# Altium PCB ArduinoRelayTimerPCB.PcbDoc
Units mm, origin at the board's own origin, x right, y up, seen from the top; angles counter-clockwise.
Board outline 104.78 x 81.41 mm, 2 copper layers (Top Layer, Bottom Layer); 22 components, 23 nets, 76 pads, 20 vias.
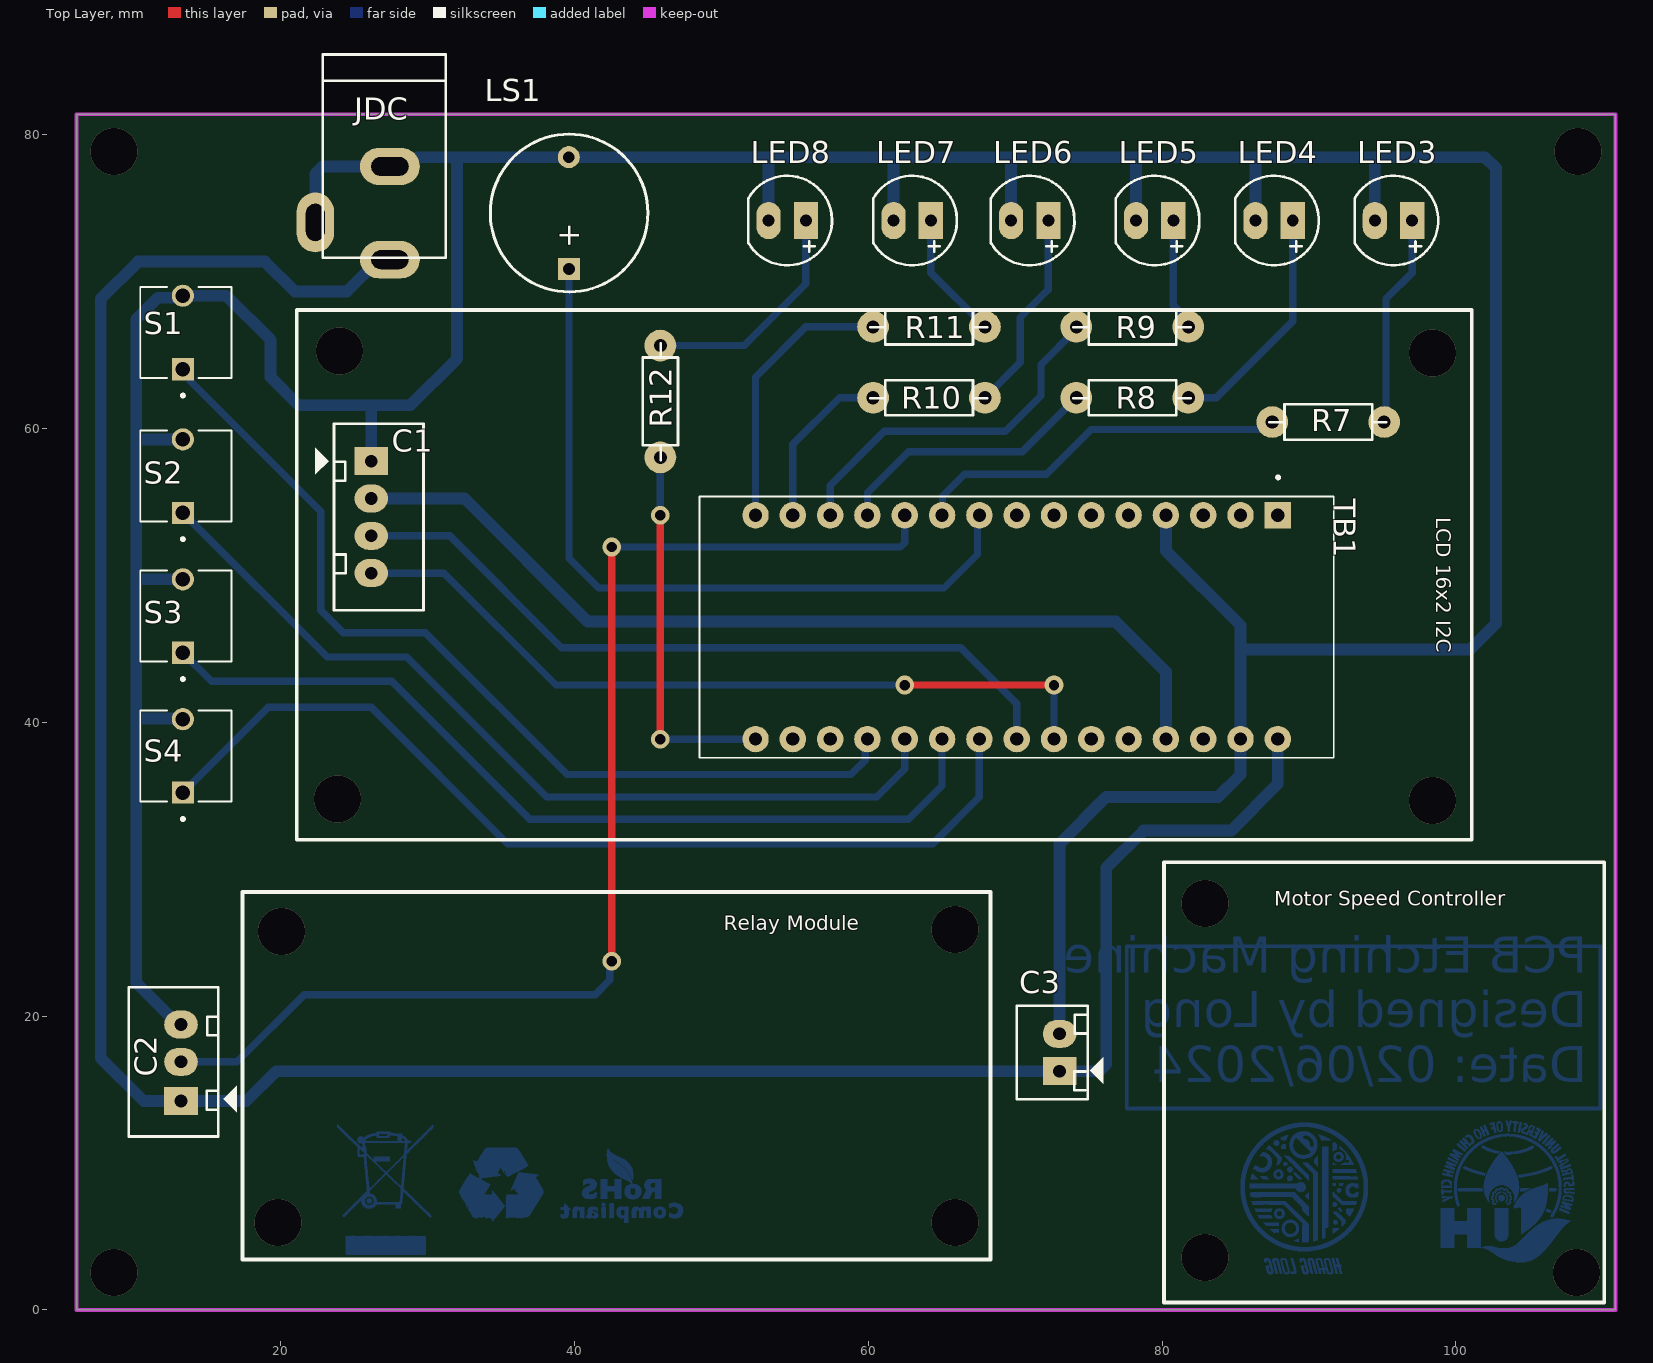
[diagram p0: Top Layer view]
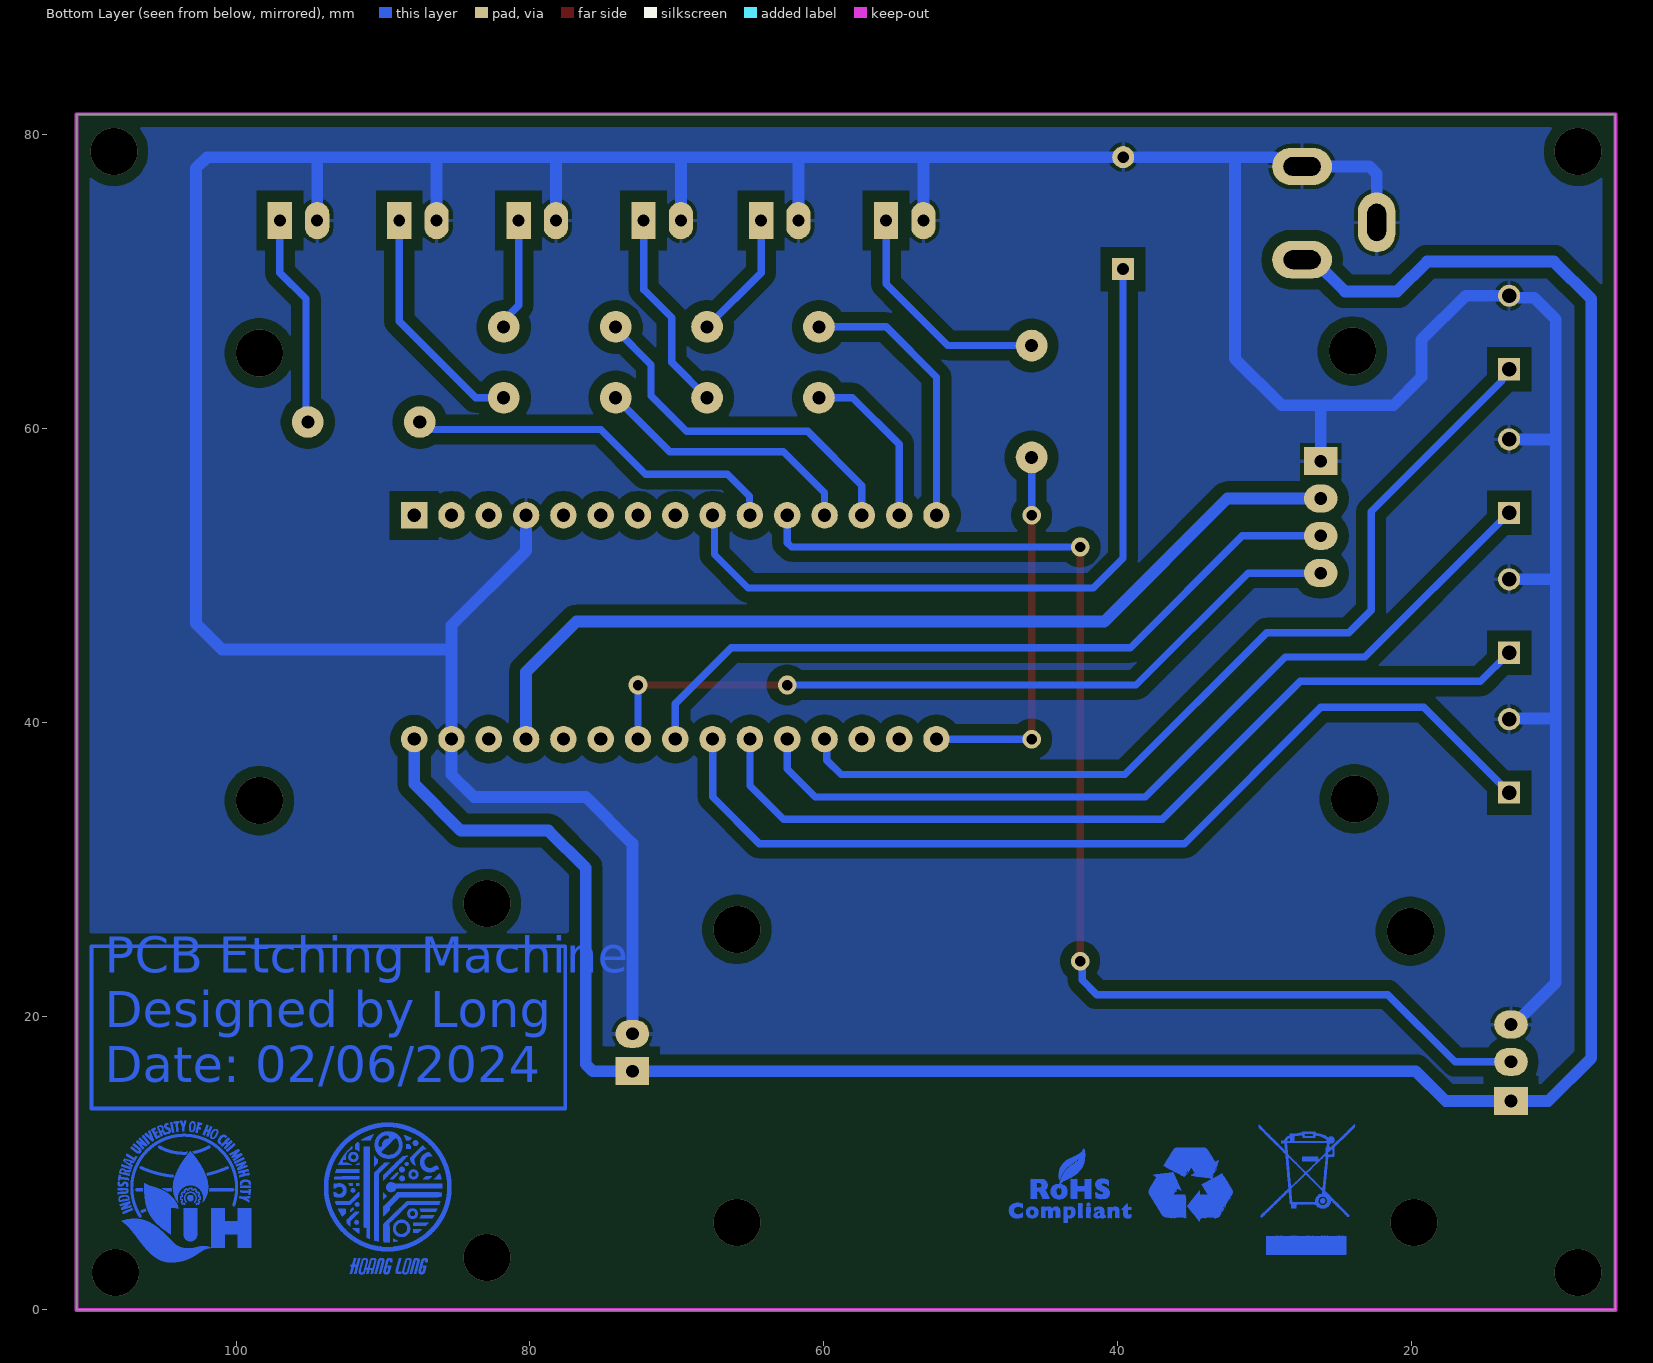
[diagram p1: Bottom Layer view, seen from below]

## Layer stack, top to bottom
Top Solder: solder mask 0.0102, Solder Resist, Dk 3.5
Top Layer: signal copper 0.0356
Dielectric 1: dielectric 0.32, FR-4, Dk 4.8
Bottom Layer: signal copper 0.0356
Bottom Solder: solder mask 0.0102, Solder Resist, Dk 3.5

## Board outline
6.096,0 6.096,81.407 110.871,81.407 110.871,0

## Design rules (kind name [scope] priority, off if disabled: settings)
Clearance [All] p1: gap=0.75 ignorepadtopadclearanceinfootprint=FALSE
PolygonConnect [All] p1: connectstyle=Relief reliefconductorwidth=0.254 reliefentries=4 polygonreliefangle="90 Angle" airgapwidth=0.254
RoutingVias [All] p1: holewidth=0.711 width=1.27 viastyle="Through Hole" minholewidth=0.711 minwidth=1.27 maxholewidth=0.711 maxwidth=1.27
SolderMaskExpansion [All] p1: expansion=0.102 istentingtop=FALSE
Width other [InNetClass('other')] p1: maxlimit=0.6 minlimit=0.4 preferedwidth=0.5
Width VCC [InNetClass('VCC')] p2: maxlimit=0.8 minlimit=0.7 preferedwidth=0.8
30 further rules are at their usual default settings.

## Components (designator, comment, footprint, x,y, rotation, side; value= is the part's Value field where it differs from the comment)
C1 "LCD16x2_I2C" Header4 26.162,57.785 r270 top
C2 "Relay" Header3 13.208,14.351 r90 top
C3 "Header2" Header2 73.025,16.256 r90 top
JDC "Jac DC" DC0 24.892,74.676 r270 top
LED3 "LED" LED-5-Yellow 97.028,74.168 r180 top value="LED 3 ly Single Colour"
LED4 "LED" LED-5-Yellow 88.9,74.168 r180 top value="LED 3 ly Single Colour"
LED5 "LED" LED-5-Yellow 80.772,74.168 r180 top value="LED 3 ly Single Colour"
LED6 "LED" LED-5-Yellow 72.263,74.168 r180 top value="LED 3 ly Single Colour"
LED7 "LED" LED-5-Yellow 64.262,74.168 r180 top value="LED 3 ly Single Colour"
LED8 "LED" LED-5-Yellow 55.753,74.168 r180 top value="LED 3 ly Single Colour"
LS1 "Speaker" SPEAKER 39.624,70.866 r90 top
R7 "Res" RES-1/4W-SMALL 91.059,60.452 r0 top
R8 "Res" RES-1/4W-SMALL 77.724,62.103 r0 top
R9 "Res" RES-1/4W-SMALL 77.724,66.929 r0 top
R10 "Res" RES-1/4W-SMALL 63.881,62.103 r0 top
R11 "Res" RES-1/4W-SMALL 63.881,66.929 r0 top
R12 "Res" RES-1/4W-SMALL 45.847,61.595 r90 top
S1 "" SW_TL59NF160Q 13.335,66.548 r90 top
S2 "" SW_TL59NF160Q 13.335,56.769 r90 top
S3 "" SW_TL59NF160Q 13.335,47.244 r90 top
S4 "" SW_TL59NF160Q 13.335,37.719 r90 top
TB1 "ARDUINO_NANO" SHIELD_ARDUINO_NANO 70.104,46.482 r270 top

## Footprints (in the part's own frame and the unit in brackets; to place one, negate y for a bottom-side part, rotate by r counter-clockwise, add the part's x,y. Pads: shape width x height; smd on the part's side, far side on the other; paste and mask are expansions set on the pad)
DC0 [mil] "Jac DC input"
  oval 100x160 hole 50 slot 100 at 90 deg: 1(125,100) 2(-125,100)
  oval 160x100 hole 50 slot 100 at 0 deg: 3(25,-100)
  silkscreen extent -425,-80 120,250, body extent -410,-105 134,269, height 434
Header2 [mil] "CON2"
  rect 75x90 hole 34: 1(0,0)
  oval 75x90 hole 34: 2(100,0)
  silkscreen extent -75,-118 175,115, body extent -68,-70 168,107, height 236
Header3 [mil] "CON 3"
  rect 75x90 hole 34: 1(-5,0)
  oval 75x90 hole 34: 2(100,0) 3(200,0)
  silkscreen extent -100,-150 300,140, body extent -95,-90 295,136, height 276
Header4 [mil] "CON4"
  rect 75x90 hole 34: 1(0,0)
  oval 75x90 hole 34: 2(100,0) 3(200,0) 4(300,0)
  silkscreen extent -100,-150 400,140, body extent -90,-90 398,136, height 276
LED-5-Yellow [mil] "LED 2 PIN, 5 ly , Only colour,pin to pin 100mil"
  rect 65x100 hole 32: 1(0,0)
  oval 65x100 hole 32: 2(100,0)
  silkscreen extent -70,-120 154,120, body extent -67,-122 147,115, height 339
RES-1/4W-SMALL [mil]
  round 85 hole 35: 1(-140,0) 2(160,0)
  silkscreen extent -148,-47 166,47, body extent -152,-47 172,47, height 97
SHIELD_ARDUINO_NANO [mm]
  rect 1.8x1.8 / inner round 1.8 / far side rect 1.8x1.8 hole 0.9: 1(-7.62,17.78)
  round 1.8 hole 0.9: 2(-7.62,15.24) 3(-7.62,12.7) 4(-7.62,10.16) 5(-7.62,7.62) 6(-7.62,5.08) 7(-7.62,2.54) 8(-7.62,0) 9(-7.62,-2.54) 10(-7.62,-5.08) 11(-7.62,-7.62) 12(-7.62,-10.16) 13(-7.62,-12.7) 14(-7.62,-15.24) 15(-7.62,-17.78) 16(7.62,-17.78) 17(7.62,-15.24) 18(7.62,-12.7) 19(7.62,-10.16) 20(7.62,-7.62) 21(7.62,-5.08) 22(7.62,-2.54) 23(7.62,0) 24(7.62,2.54) 25(7.62,5.08) 26(7.62,7.62) 27(7.62,10.16) 28(7.62,12.7) 29(7.62,15.24) 30(7.62,17.78)
  silkscreen extent -10.3,-21.59 8.89,21.59, body extent -9,-21.6 9,23.4, height 12.6
SPEAKER [mm]
  rect 1.5x1.5 hole 0.8: 1(0,0)
  round 1.5 hole 0.8: 2(7.62,0.013)
  silkscreen extent -1.55,-5.38 9.18,5.36, body extent -2.22,-6 13.24,6, height 4.5
SW_TL59NF160Q [mm]
  rect 1.508x1.508 / inner round 1.508 / far side rect 1.508x1.508 hole 1: 1(-2.5,0)
  round 1.508 hole 1: 2(2.5,0)
  silkscreen extent -4.39,-3.3 3.1,2.9, body extent -3.1,-3.3 3.1,2.9, height 4.3

## Part data
C1: library part Header4, "Header IDC, 4 x 1 Pin Vertical 2.54mm Pitch (Non-Boxed, Male)", Manufacturer="W¨¹rth Elektronik eiSos GmbH", partNo=613002143121, ComponentLink1 Description=Manufacturer, ComponentLink1URL=http://www.we-online.com, ComponentLink2 Description=Datasheet, ComponentLink2URL=http://katalog.we-online.de/em/datasheet/6130xx143121.pdf, Created by="Karrer Zheng", Created Date="29 March 2013", NoPins=02
C2: library part Header3, "Header IDC, 3 x 1 Pin Vertical 2.54mm Pitch (Non-Boxed, Male)", Manufacturer="W¨¹rth Elektronik eiSos GmbH", partNo=613002143121, ComponentLink1 Description=Manufacturer, ComponentLink1URL=http://www.we-online.com, ComponentLink2 Description=Datasheet, ComponentLink2URL=http://katalog.we-online.de/em/datasheet/6130xx143121.pdf, Created by="Karrer Zheng", Created Date="29 March 2013", NoPins=02
C3: "Header IDC, 2 x 1 Pin Vertical 2.54mm Pitch (Non-Boxed, Male)", Manufacturer="W¨¹rth Elektronik eiSos GmbH", partNo=613002143121, ComponentLink1 Description=Manufacturer, ComponentLink1URL=http://www.we-online.com, ComponentLink2 Description=Datasheet, ComponentLink2URL=http://katalog.we-online.de/em/datasheet/6130xx143121.pdf, Created by="Karrer Zheng", Created Date="29 March 2013", NoPins=02
JDC: library part DCIN, "Jac DC input"
LED3 LED4 LED5 LED6 LED7 LED8: "LED Single colour Green and Red"
LS1: "Loudspeaker", LatestRevisionDate=17-Jul-2002, LatestRevisionNote="Re-released for DXP Platform.", PackageReference=PIN2, Published=24-Mar-1999, Publisher="Altium Limited"
R7 R8 R9 R10 R11 R12: Manufacturer="Generic Components", Class=Passive, Published=08/06/2000, Publisher="Altium Hobart Technology Centre", SubClass=R
S1 S2 S3 S4: library part TL59NF160Q, "SWITCH TACTILE SPST-NO 0.05A 12V", Package=None, Availability="In Stock", Check_prices=https://www.snapeda.com/parts/TL59NF160Q/E-Switch/view-part/?ref=eda, MF=E-Switch, MP=TL59NF160Q, Price=None, Purchase-URL=https://pricing.snapeda.com/search/part/TL59NF160Q/?ref=eda, SnapEDA_Link=https://www.snapeda.com/parts/TL59NF160Q/E-Switch/view-part/?ref=snap
TB1: "Small, complete, and breadboard-friendly board based on the ATmega328 (Arduino Nano 3.x)", Package="Non-Standard Arduino", Availability="Not in stock", Check_prices=https://www.snapeda.com/parts/Arduino%20Nano/Arduino/view-part/?ref=eda, MF=Arduino, MP="Arduino Nano", Price=None, SnapEDA_Link=https://www.snapeda.com/parts/Arduino%20Nano/Arduino/view-part/?ref=snap

## Via types
v1: diameter 3.2, hole 3.2, Top Layer to Bottom Layer, 14 vias
v2: diameter 1.27, hole 0.711, Top Layer to Bottom Layer, 6 vias

## Nets (pads, with @x,y where several pads share a name; then routed paths per layer and width w, separated by ;. In a path a pad name is that pad's centre, name@x,y a point inside that pad or via, vN(x,y) a via of type N, cw(c..) or ccw(c..) an arc to the next point about the centre after c; other vN are vias at no path point)
+5: C1.2 TB1.27 | length 63.6
  Bottom Layer w0.8: C1.2 32.512,55.245 40.894,46.863 76.835,46.863 80.264,43.434 TB1.27
+12: C2.1 C3.1 JDC.1 TB1.30 | length 175.3
  Bottom Layer w0.8: JDC.1 26.67,71.501 24.511,69.342 20.955,69.342 18.923,71.374 10.287,71.374 7.747,68.834 7.747,17.145 10.668,14.224 C2.1 17.653,14.224 19.685,16.256 C3.1 75.731,16.256 76.2,16.725 76.2,30.099 78.74,32.639 84.709,32.639 87.884,35.814 TB1.30
A0: S1.1 TB1.19 | length 63.9
  Bottom Layer w0.5: S1.1 13.839,63.544 13.839,63.25 22.733,54.356 22.733,47.625 24.257,46.101 29.845,46.101 39.497,36.449 58.801,36.449 59.785,37.433 59.785,38.703 TB1.19
A1: S2.1 TB1.20 | length 60
  Bottom Layer w0.5: S2.1 13.839,53.765 23.154,44.45 28.575,44.45 38.1,34.925 60.579,34.925 62.484,36.83 TB1.20
A2: S3.1 TB1.21 | length 60.5
  Bottom Layer w0.5: S3.1 15.28,42.799 27.559,42.799 36.957,33.401 62.738,33.401 65.024,35.687 TB1.21
A3: S4.1 TB1.22 | length 65.7
  Bottom Layer w0.5: S4.1 19.137,41.021 26.162,41.021 35.433,31.75 64.389,31.75 67.564,34.925 TB1.22
A4: C1.3 TB1.23 | length 51.1
  Bottom Layer w0.5: C1.3 31.496,52.705 39.116,45.085 66.294,45.085 70.104,41.275 TB1.23
A5: C1.4 TB1.24 | length 53.3
  Top Layer w0.5: v2(62.484,42.545) v2(72.644,42.545)
  Bottom Layer w0.5: C1.4 31.115,50.165 38.735,42.545 v2(62.484,42.545) ; TB1.24 v2(72.644,42.545)
D6: LS1.1 TB1.9 | length 52
  Bottom Layer w0.5: LS1.1 39.624,51.181 41.656,49.149 65.151,49.149 67.437,51.435 67.437,53.975 TB1.9
D7: R7.1 TB1.10 | length 25.9
  Bottom Layer w0.5: TB1.10 65.056,54.134 65.056,55.404 66.548,56.896 72.136,56.896 75.184,59.944 86.546,59.944 87.054,60.452 R7.1
D8: C2.2 TB1.11 | length 83
  Top Layer w0.5: v2(42.545,23.749) v2(42.545,51.943)
  Bottom Layer w0.5: C2.2 17.018,16.891 21.59,21.463 41.402,21.463 42.398,22.459 42.398,23.602 v2(42.545,23.749) ; v2(42.545,51.943) 62.191,51.943 62.484,52.236 TB1.11
D9: R8.1 TB1.12 | length 18.4
  Bottom Layer w0.5: TB1.12 59.944,55.626 62.738,58.42 70.485,58.42 R8.1
D10: R9.1 TB1.13 | length 24.6
  Bottom Layer w0.5: TB1.13 57.404,56.134 61.087,59.817 69.342,59.817 71.755,62.23 71.755,64.357 74.168,66.77 R9.1
D11: R10.1 TB1.14 | length 11.6
  Bottom Layer w0.5: TB1.14 54.864,58.928 58.039,62.103 R10.1
D12: R11.1 TB1.15 | length 18.8
  Bottom Layer w0.5: TB1.15 52.324,63.5 55.753,66.929 R11.1
D13: R12.1 TB1.16 | length 25.7
  Top Layer w0.5: v2(45.847,38.862) v2(45.847,54.102)
  Bottom Layer w0.5: v2(45.847,38.862) TB1.16 ; v2(45.847,54.102) R12.1
GND: C1.1 C2.3 C3.2 JDC.2 JDC.3 LED3.2 LED4.2 LED5.2 LED6.2 LED7.2 LED8.2 LS1.2 S1.2 S2.2 S3.2 S4.2 TB1.4 TB1.29 | length 311.4
  Bottom Layer w0.8: C2.3 13.018,19.431 10.16,22.288 10.16,40.259 ; S4.2 13.295,40.259 10.16,40.259 ; S3.2 10.2,49.744 10.16,49.784 ; S2.2 10.2,59.269 10.16,59.309 ; JDC.3 22.352,77.343 22.86,77.851 JDC.2 28.665,77.851 29.3,78.486 32.004,78.486 ; C1.1 26.162,61.595 ; LED8.2 53.213,78.486 ; LED7.2 61.722,78.486 ; LED6.2 69.723,78.486 ; C3.2 73.025,31.75 76.2,34.925 83.82,34.925 85.344,36.449 TB1.29 85.344,44.958 ; LED5.2 78.232,78.486 ; TB1.4 80.264,51.689 85.344,46.609 85.344,44.958 ; LED4.2 86.36,78.486 ; LED3.2 94.488,78.486 ; 10.16,40.259 10.16,49.784 ; 10.16,49.784 10.16,59.309 ; 10.16,59.309 10.16,67.437 11.636,68.913 13.2,68.913 S1.2 16.296,69.048 19.304,66.04 19.304,63.5 21.209,61.595 26.162,61.595 ; 26.162,61.595 28.829,61.595 32.004,64.77 32.004,78.486 ; 32.004,78.486 LS1.2 53.213,78.486 ; 53.213,78.486 61.722,78.486 ; 61.722,78.486 69.723,78.486 ; 69.723,78.486 78.232,78.486 ; 78.232,78.486 86.36,78.486 ; 85.344,44.958 100.965,44.958 102.743,46.736 102.743,77.724 101.981,78.486 94.488,78.486 ; 86.36,78.486 94.488,78.486
NetLED3_1: LED3.1 R7.2 | length 14.5
  Bottom Layer w0.5: R7.2 95.25,60.579 95.25,68.834 97.028,70.612 LED3.1
NetLED4_1: LED4.1 R8.2 | length 16.1
  Bottom Layer w0.5: R8.2 83.693,62.103 88.9,67.31 LED4.1
NetLED5_1: LED5.1 R9.2 | length 7.7
  Bottom Layer w0.5: LED5.1 80.772,68.394 81.788,67.378 R9.2
NetLED6_1: LED6.1 R10.2 | length 13.9
  Bottom Layer w0.5: R10.2 70.358,64.516 70.358,67.564 72.263,69.469 LED6.1
NetLED7_1: LED7.1 R11.2 | length 8.8
  Bottom Layer w0.5: LED7.1 64.262,70.612 R11.2
NetLED8_1: LED8.1 R12.2 | length 16
  Bottom Layer w0.5: R12.2 51.562,65.659 55.753,69.85 LED8.1
pads on no net: TB1.1 TB1.2 TB1.3 TB1.5 TB1.6 TB1.7 TB1.8 TB1.17 TB1.18 TB1.25 TB1.26 TB1.28
copper on no net: | length 86.9
  Bottom Layer w0.254: 77.597,13.716 109.855,13.716 109.855,24.765 77.597,24.765 77.597,13.716
  Bottom Layer w0.5: 75.184,54.102 75.31,54.228 ; 77.724,54.102 77.819,54.197
  other v1: 8.636,2.54 108.204,2.54 82.931,3.556 19.812,5.969 65.913,5.969 20.066,25.781 65.913,25.908 82.931,27.686 98.425,34.671 23.876,34.798 98.425,65.151 24.003,65.278 8.636,78.867 108.331,78.867

## Polygon pours and split planes (outlines as drawn)
GND on Bottom Layer "GND_L02_P000" (solid, remove dead copper, pour order 0): 6.096,81.407 6.223,81.28 6.223,12.827 110.871,12.827 110.871,81.407

## Keep-outs
Keep-Out Layer:
  the board outline again, w0.254

## Other copper
Bottom Layer:
  drawing of 137 lines, arcs and shapes, not listed
  text "PCB Etching Machine" at 108.962,22.124 h4.2
  text "Designed by Long" at 108.962,18.441 h4.2
  text "Date: 02/06/2024" at 108.962,14.673 h4.2

## Silkscreen, mask and mechanical layers (free items; w line width, h text height)
Top Overlay:
  lines w0.254: 17.399,3.429 68.326,3.429 68.326,28.448 17.399,28.448 17.399,3.429 ; 21.082,32.004 101.092,32.004 101.092,68.072 21.082,68.072 21.082,32.004 ; 80.137,0.508 110.109,0.508 110.109,30.48 80.137,30.48 80.137,0.508
  text "LCD 16x2 I2C" at 98.679,53.975 h1 r270
  text "Motor Speed Controller" at 87.63,27.511 h1
  text "Relay Module" at 50.165,25.86 h1

## Dimensions
110.871,0 to 110.871,81.407 on Top Overlay
6.096,0 to 110.871,0 on Top Overlay

## Text inside footprints (layer, text, board x,y; h text height)
LS1: Top Overlay "+" at 40.335,72.276 h1.52 r90